# Altium PCB Universal_PCB.PcbDoc (part 1 of 3)
Units mm, origin at the board's own origin, x right, y up, seen from the top; angles counter-clockwise.
Board outline 200 x 105 mm, 2 copper layers (Top Layer, Bottom Layer), stack 1.57 mm thick; 323 components, 231 nets, 891 pads, 95 vias.
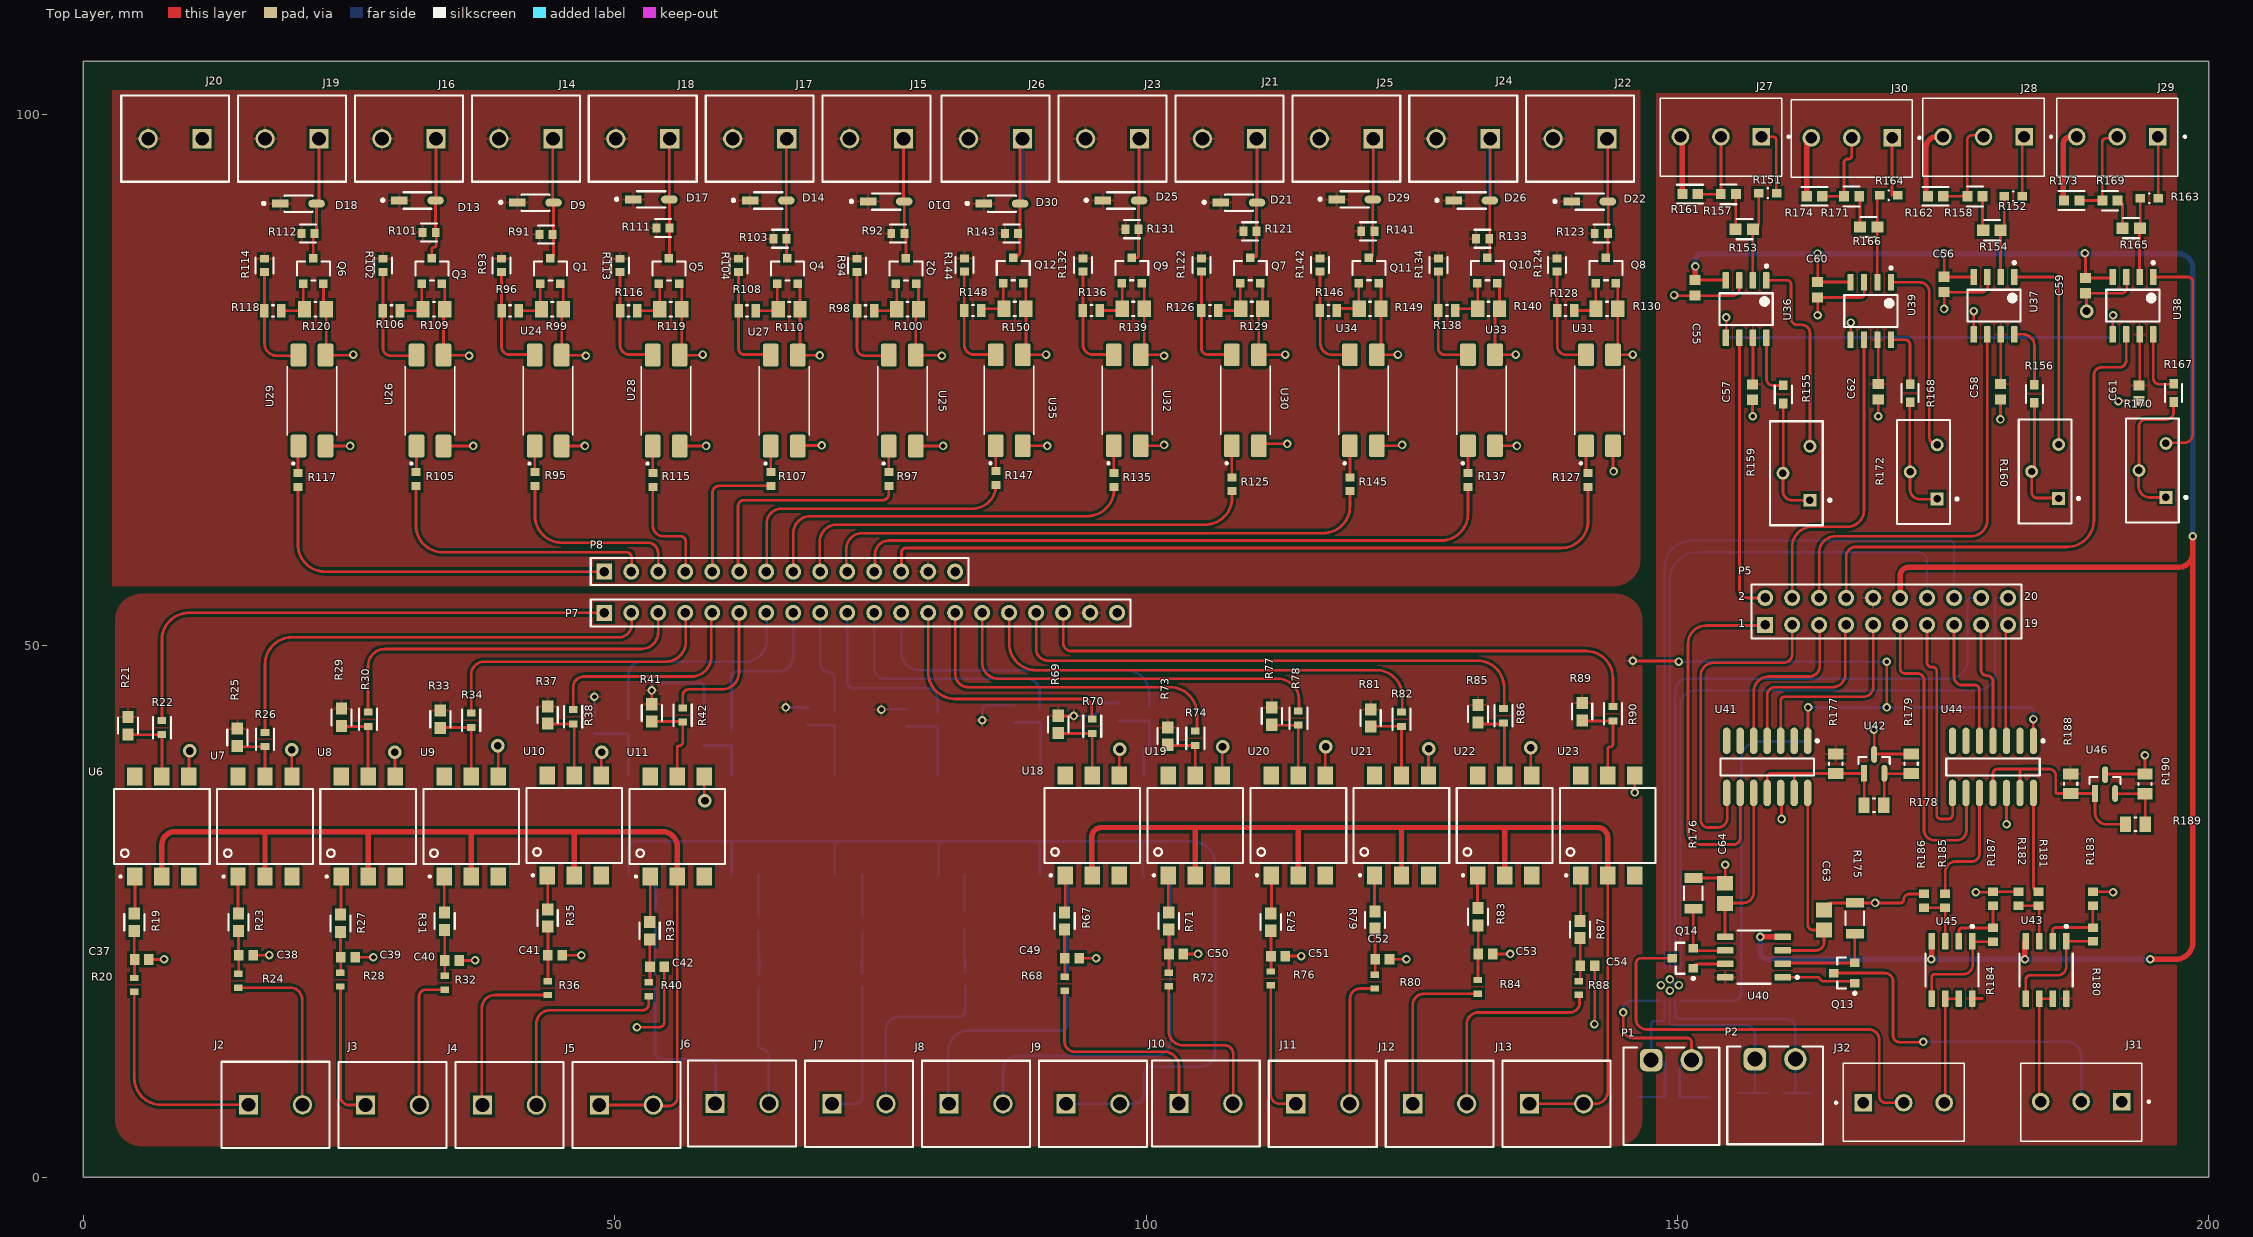
[diagram p0: Top Layer view]
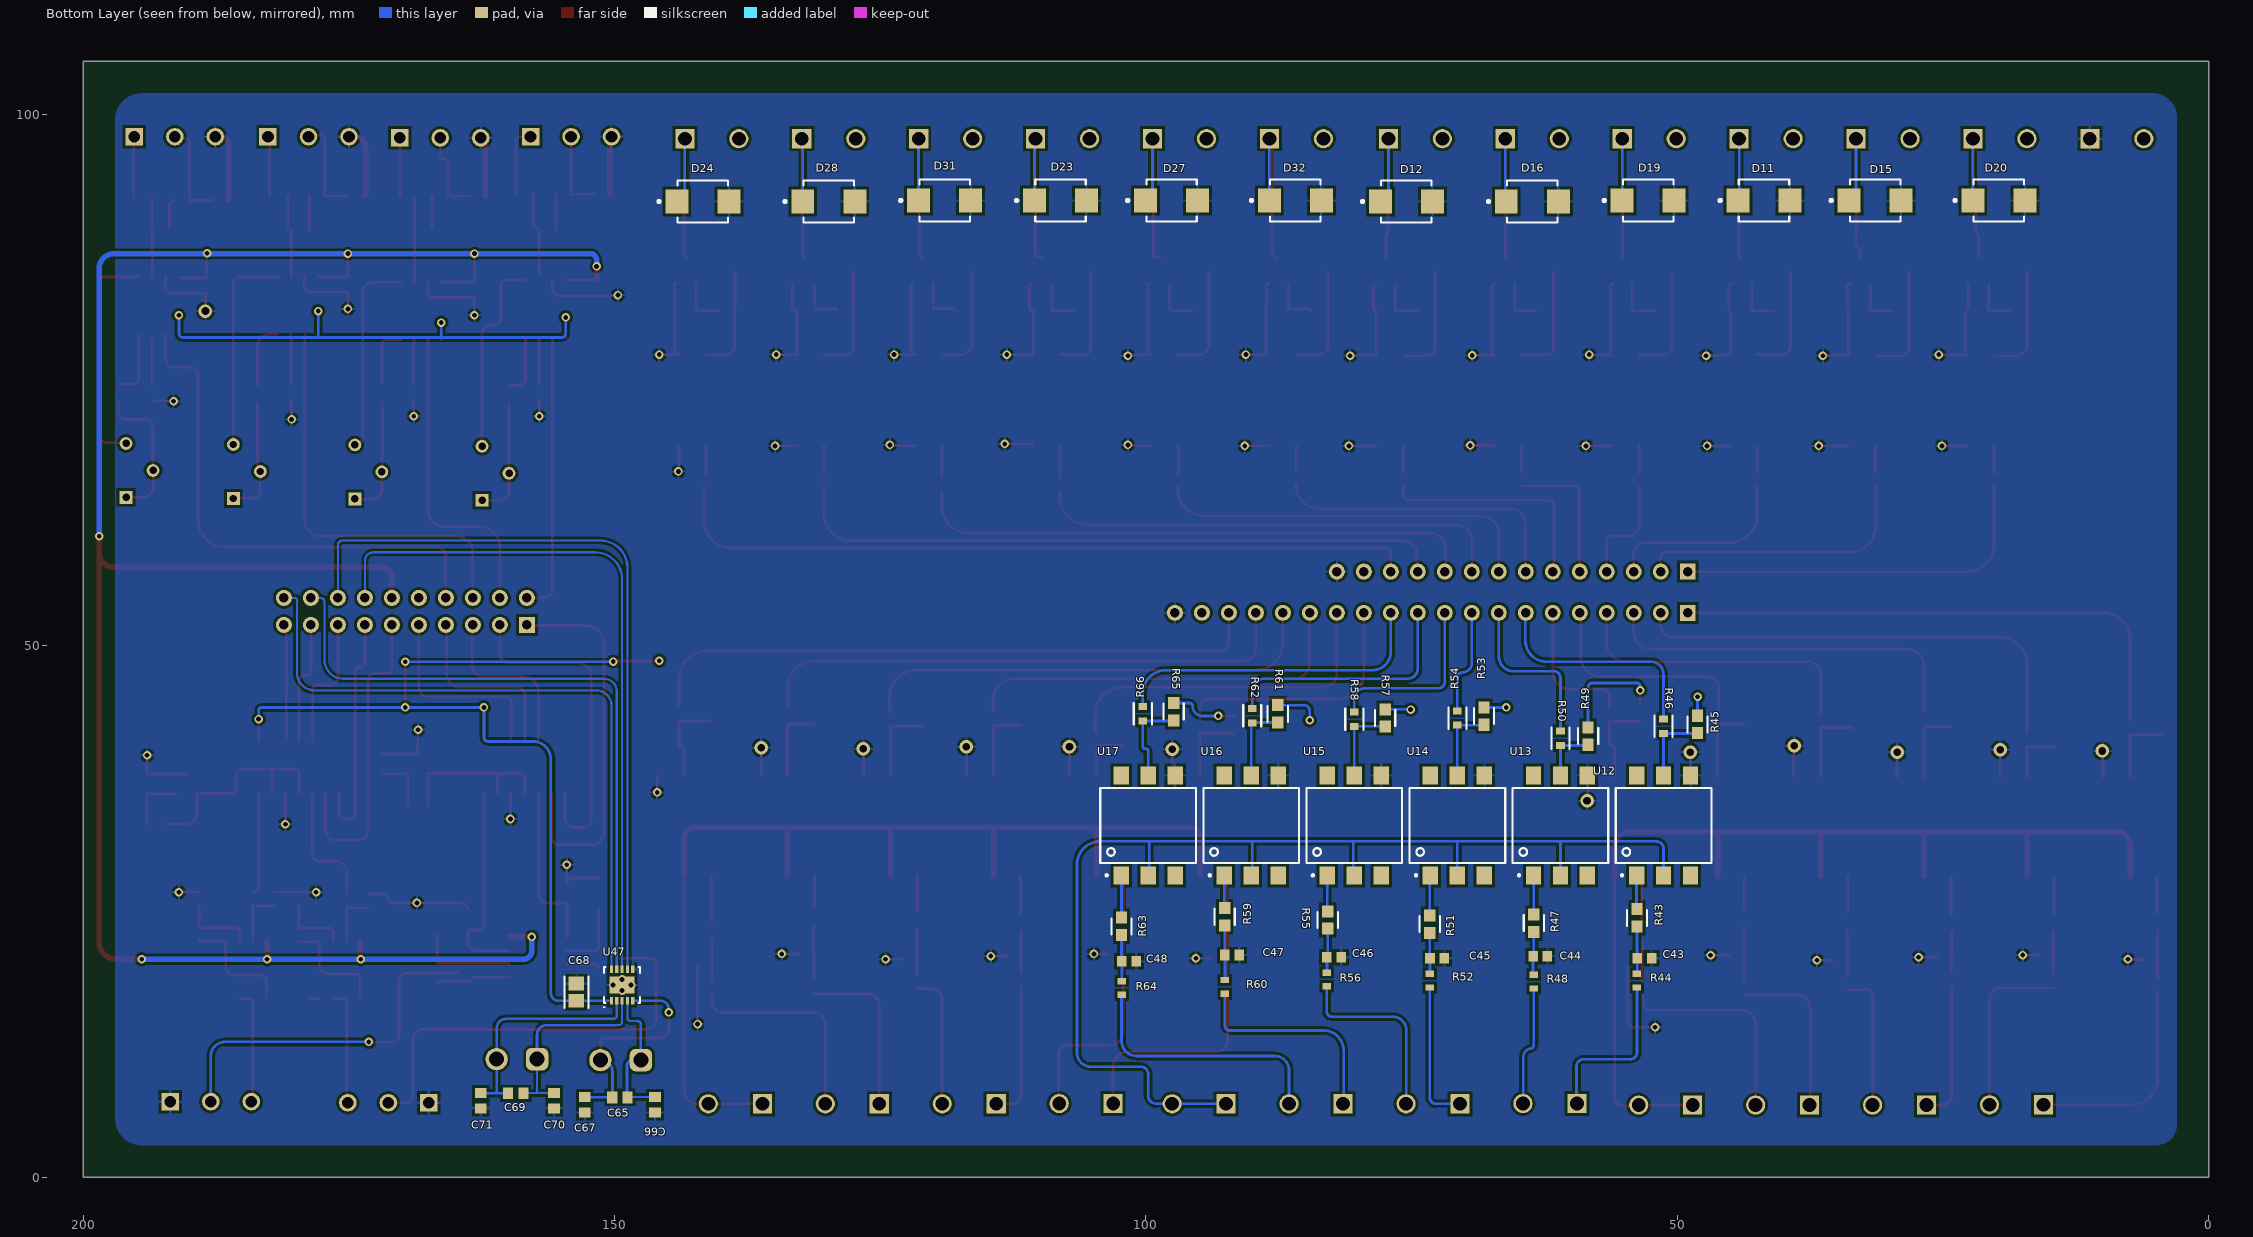
[diagram p1: Bottom Layer view, seen from below]
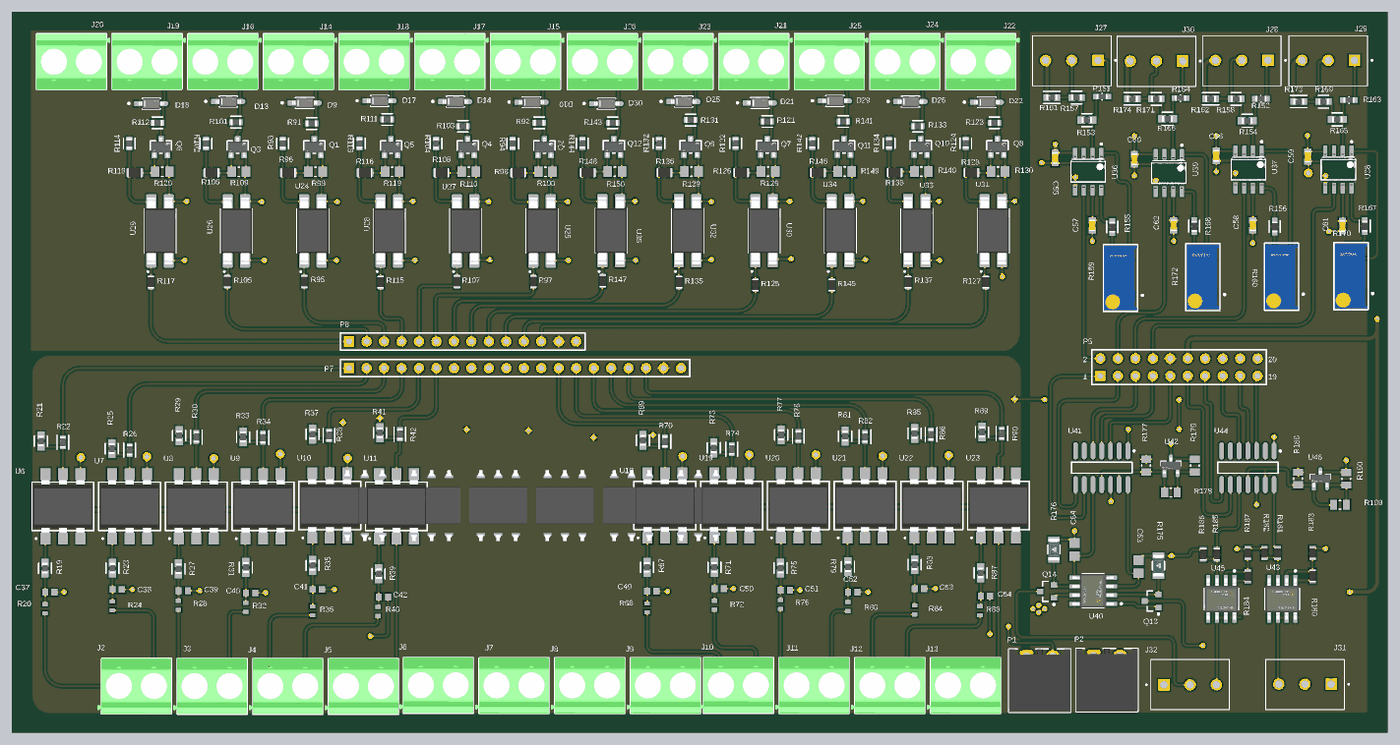
[diagram p4: 3D render of the assembled board from above, using the file's embedded part models]
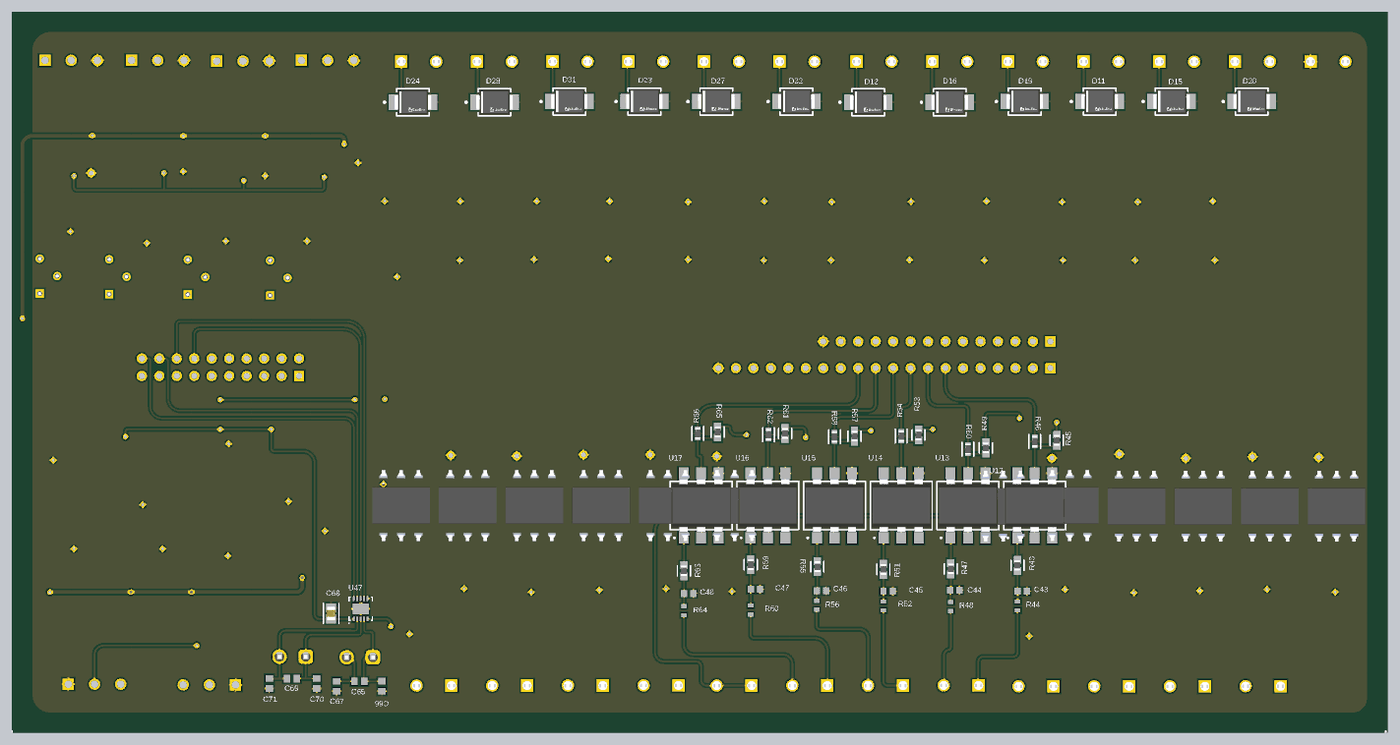
[diagram p5: 3D render of the assembled board from below, using the file's embedded part models]

## Layer stack, top to bottom
Top Solder: solder mask 0.01, Solder Resist, Dk 3.5
Top Layer: signal copper 0.035
Dielectric 1: dielectric 1.5, FR-4, Dk 4.8
Bottom Layer: signal copper 0.035
Bottom Solder: solder mask 0.01, Solder Resist, Dk 3.5

## Board outline
0,0 200,0 200,105 0,105

## Design rules (kind name [scope] priority, off if disabled: settings)
Clearance [All] p1: gap=0.254 ignorepadtopadclearanceinfootprint=FALSE
PolygonConnect [All] p1: connectstyle=Relief reliefconductorwidth=0.254 reliefentries=4 polygonreliefangle="90 Angle" airgapwidth=0.254
RoutingVias [All] p1: holewidth=0.711 width=1.27 viastyle="Through Hole" minholewidth=0.711 minwidth=1.27 maxholewidth=0.711 maxwidth=1.27
SolderMaskExpansion [All] p1: expansion=0.102 istentingtop=FALSE
Width [All] p1: maxlimit=2.54 minlimit=0.203 preferedwidth=0.254 minimp=50.000000 maximp=50.000000 favimp=50.000000
30 further rules are at their usual default settings.

## Classes and differential pairs
component class "Temp_sensors Input": C65 C66 C67 C68 C69 C70 C71 P1 P2 P5 P7 P8 U47
component class DIGITAL_OUTPUT: D9 D10 D11 D12 D13 D14 D15 D16 D17 D18 D19 D20 J14 J15 J16 J17 J18 J19 J20 Q1 Q2 Q3 Q4 Q5 Q6 R91 R92 R93 R94 R95 R96 R97 R98 R99 R100 R101 R102 R103 R104 R105 R106 R107 R108 R109 R110 R111 R112 R113 R114 R115 R116 R117 R118 R119 R120 U24 U25 U26 U27 U28 U29
component class DIGITAL_OUTPUT1: D21 D22 D23 D24 D25 D26 D27 D28 D29 D30 D31 D32 J21 J22 J23 J24 J25 J26 Q7 Q8 Q9 Q10 Q11 Q12 R121 R122 R123 R124 R125 R126 R127 R128 R129 R130 R131 R132 R133 R134 R135 R136 R137 R138 R139 R140 R141 R142 R143 R144 R145 R146 R147 R148 R149 R150 U30 U31 U32 U33 U34 U35
component class Digital_Input: C37 C38 C39 C40 C41 C42 J2 J3 J4 J5 R19 R20 R21 R22 R23 R24 R25 R26 R27 R28 R29 R30 R31 R32 R33 R34 R35 R36 R37 R38 R39 R40 R41 R42 U6 U7 U8 U9 U10 U11
component class Digital_Input3: C49 C50 C51 C52 C53 C54 J10 J11 J12 J13 R67 R68 R69 R70 R71 R72 R73 R74 R75 R76 R77 R78 R79 R80 R81 R82 R83 R84 R85 R86 R87 R88 R89 R90 U18 U19 U20 U21 U22 U23
component class Digital_Input2: C43 C44 C45 C46 C47 C48 J6 J7 J8 J9 R43 R44 R45 R46 R47 R48 R49 R50 R51 R52 R53 R54 R55 R56 R57 R58 R59 R60 R61 R62 R63 R64 R65 R66 U12 U13 U14 U15 U16 U17
component class ANALOG_VOUTPUT: J31 J32 R180 R181 R182 R183 R184 R185 R186 R187 R188 R189 R190 U43 U44 U45 U46
component class ANALOG_IOUTPUT: C63 C64 Q13 Q14 R175 R176 R177 R178 R179 U40 U41 U42
component class ANALOG_INPUT: C55 C56 C57 C58 C59 C60 C61 C62 J27 J28 J29 J30 R151 R152 R153 R154 R155 R156 R157 R158 R159 R160 R161 R162 R163 R164 R165 R166 R167 R168 R169 R170 R171 R172 R173 R174 U36 U37 U38 U39

## Components (designator, comment, footprint, x,y, rotation, side; value= is the part's Value field where it differs from the comment)
C37 "C0603T104K3RACTU" CAPC1608X87X35NL15T15 5.5,20.485 r180 top value=100nF
C38 "C0603T104K3RACTU" CAPC1608X87X35NL15T15 15.3,20.885 r180 top value=100nF
C39 "C0603T104K3RACTU" CAPC1608X87X35NL15T15 24.9,20.685 r180 top value=100nF
C40 "C0603T104K3RACTU" CAPC1608X87X35NL15T15 34.7,20.385 r180 top value=100nF
C41 "C0603T104K3RACTU" CAPC1608X87X35NL15T15 44.4,20.885 r180 top value=100nF
C42 "C0603T104K3RACTU" CAPC1608X87X35NL15T15 54,19.785 r180 top value=100nF
C43 "C0603T104K3RACTU" CAPC1608X87X35NL15T15 53.1,20.6 r0 bottom value=100nF
C44 "C0603T104K3RACTU" CAPC1608X87X35NL15T15 62.9,20.8 r0 bottom value=100nF
C45 "C0603T104K3RACTU" CAPC1608X87X35NL15T15 72.6,20.6 r0 bottom value=100nF
C46 "C0603T104K3RACTU" CAPC1608X87X35NL15T15 82.3,20.7 r0 bottom value=100nF
C47 "C0603T104K3RACTU" CAPC1608X87X35NL15T15 91.9,20.9 r0 bottom value=100nF
C48 "C0603T104K3RACTU" CAPC1608X87X35NL15T15 101.6,20.3 r0 bottom value=100nF
C49 "C0603T104K3RACTU" CAPC1608X87X35NL15T15 93.04,20.6 r180 top value=100nF
C50 "C0603T104K3RACTU" CAPC1608X87X35NL15T15 102.84,21 r180 top value=100nF
C51 "C0603T104K3RACTU" CAPC1608X87X35NL15T15 112.44,20.8 r180 top value=100nF
C52 "C0603T104K3RACTU" CAPC1608X87X35NL15T15 122.24,20.5 r180 top value=100nF
C53 "C0603T104K3RACTU" CAPC1608X87X35NL15T15 131.94,21 r180 top value=100nF
C54 "C0603T104K3RACTU" CAPC1608X87X35NL15T15 141.54,19.9 r180 top value=100nF
C55 "GRM188R71H104KA93D" CAPC1608X90X35ML10T15 151.675,83.675 r90 top
C56 "GRM188R71H104KA93D" CAPC1608X90X35ML10T15 175.1,84 r90 top
C57 "GRM188R71H104KA93D" CAPC1608X90X35ML10T15 157.075,73.875 r90 top
C58 "GRM188R71H104KA93D" CAPC1608X90X35ML10T15 180.4,73.9 r90 top
C59 "GRM188R71H104KA93D" CAPC1608X90X35ML10T15 188.4,83.9 r90 top
C60 "GRM188R71H104KA93D" CAPC1608X90X35ML10T15 163.2,83.5 r90 top
C61 "GRM188R71H104KA93D" CAPC1608X90X35ML10T15 193.445,73.775 r90 top
C62 "GRM188R71H104KA93D" CAPC1608X90X35ML10T15 168.9,73.9 r90 top
C63 "GRM21BR71H104KA01L" CAPC2013X135X45ML10T25 163.8,24.2 r270 top
C64 "GRM21BR71H104KA01L" CAPC2013X135X45ML10T25 154.5,26.7 r270 top
C65 "VJ0603Y103KXAAP" CAPC1608X92X38ML15T08 149.5,7.5 r180 bottom value=0.01uF
C66 "VJ0603Y103KXAAP" CAPC1608X92X38ML15T08 146.2,6.811 r90 bottom value=0.01uF
C67 "VJ0603Y103KXAAP" CAPC1608X92X38ML15T08 152.8,6.8 r90 bottom value=0.01uF
C68 "08051C104K4T2A" FP-0805-L_2_01_0_2-W_1_25-IPC_B 153.6,17.4 r90 bottom
C69 "VJ0603Y103KXAAP" CAPC1608X92X38ML15T08 159.3,7.9 r180 bottom value=0.01uF
C70 "VJ0603Y103KXAAP" CAPC1608X92X38ML15T08 155.7,7.2 r90 bottom value=0.01uF
C71 "VJ0603Y103KXAAP" CAPC1608X92X38ML15T08 162.6,7.2 r90 bottom value=0.01uF
D9 "1N5819HW-7-F" FP-SOD123-IPC_A 42.55,91.7 r0 top
D10 "1N5819HW-7-F" FP-SOD123-IPC_A 75.55,91.8 r0 top
D11 "SMBJ33A" FP-SMBJ-MFG 41.85,91.9 r180 bottom
D12 "SMBJ33A" FP-SMBJ-MFG 75.5,91.8 r180 bottom
D13 "1N5819HW-7-F" FP-SOD123-IPC_A 31.45,91.9 r0 top
D14 "1N5819HW-7-F" FP-SOD123-IPC_A 64.45,91.9 r0 top
D15 "SMBJ33A" FP-SMBJ-MFG 31.395,91.9 r180 bottom
D16 "SMBJ33A" FP-SMBJ-MFG 63.65,91.8 r180 bottom
D17 "1N5819HW-7-F" FP-SOD123-IPC_A 53.45,92 r0 top
D18 "1N5819HW-7-F" FP-SOD123-IPC_A 20.25,91.6 r0 top
D19 "SMBJ33A" FP-SMBJ-MFG 52.75,91.9 r180 bottom
D20 "SMBJ33A" FP-SMBJ-MFG 19.75,91.9 r180 bottom
D21 "1N5819HW-7-F" FP-SOD123-IPC_A 108.75,91.7 r0 top
D22 "1N5819HW-7-F" FP-SOD123-IPC_A 141.75,91.8 r0 top
D23 "SMBJ33A" FP-SMBJ-MFG 108.05,91.9 r180 bottom
D24 "SMBJ33A" FP-SMBJ-MFG 141.7,91.8 r180 bottom
D25 "1N5819HW-7-F" FP-SOD123-IPC_A 97.65,91.9 r0 top
D26 "1N5819HW-7-F" FP-SOD123-IPC_A 130.65,91.9 r0 top
D27 "SMBJ33A" FP-SMBJ-MFG 97.595,91.9 r180 bottom
D28 "SMBJ33A" FP-SMBJ-MFG 129.85,91.8 r180 bottom
D29 "1N5819HW-7-F" FP-SOD123-IPC_A 119.65,92 r0 top
D30 "1N5819HW-7-F" FP-SOD123-IPC_A 86.45,91.6 r0 top
D31 "SMBJ33A" FP-SMBJ-MFG 118.95,91.9 r180 bottom
D32 "SMBJ33A" FP-SMBJ-MFG 85.95,91.9 r180 bottom
J2 "1729128" PHOE-1729128-2_V 18.088,6.808 r0 top
J3 "1729128" PHOE-1729128-2_V 29.092,6.785 r0 top
J4 "1729128" PHOE-1729128-2_V 40.096,6.785 r0 top
J5 "1729128" PHOE-1729128-2_V 51.1,6.785 r0 top
J6 "1729128" PHOE-1729128-2_V 61.988,6.923 r0 top
J7 "1729128" PHOE-1729128-2_V 72.992,6.9 r0 top
J8 "1729128" PHOE-1729128-2_V 83.996,6.9 r0 top
J9 "1729128" PHOE-1729128-2_V 95,6.9 r0 top
J10 "1729128" PHOE-1729128-2_V 105.628,6.923 r0 top
J11 "1729128" PHOE-1729128-2_V 116.632,6.9 r0 top
J12 "1729128" PHOE-1729128-2_V 127.636,6.9 r0 top
J13 "1729128" PHOE-1729128-2_V 138.64,6.9 r0 top
J14 "1729128" PHOE-1729128-2_V 41.648,97.715 r180 top
J15 "1729128" PHOE-1729128-2_V 74.65,97.715 r180 top
J16 "1729128" PHOE-1729128-2_V 30.648,97.715 r180 top
J17 "1729128" PHOE-1729128-2_V 63.649,97.715 r180 top
J18 "1729128" PHOE-1729128-2_V 52.649,97.715 r180 top
J19 "1729128" PHOE-1729128-2_V 19.647,97.715 r180 top
J20 "1729128" PHOE-1729128-2_V 8.647,97.715 r180 top
J21 "1729128" PHOE-1729128-2_V 107.848,97.715 r180 top
J22 "1729128" PHOE-1729128-2_V 140.85,97.715 r180 top
J23 "1729128" PHOE-1729128-2_V 96.848,97.715 r180 top
J24 "1729128" PHOE-1729128-2_V 129.849,97.715 r180 top
J25 "1729128" PHOE-1729128-2_V 118.849,97.715 r180 top
J26 "1729128" PHOE-1729128-2_V 85.847,97.715 r180 top
J27 "1727023" PHOENIX_1727023 159.81,101.5 r180 top
J28 "1727023" PHOENIX_1727023 184.52,101.5 r180 top
J29 "1727023" PHOENIX_1727023 197.1,101.5 r180 top
J30 "1727023" PHOENIX_1727023 172.12,101.4 r180 top
J31 "1727023" PHOENIX_1727023 193.71,10.7 r180 top
J32 "1727023" PHOENIX_1727023 165.59,3.4 r0 top
P1 "691701340002B" 691701340002B 149.434,7.61 r0 top
P2 "691701340002B" 691701340002B 159.2,7.7 r0 top
P5 "Header 10X2" HDR2X10 158.26,51.96 r0 top
P7 "Header 20" HDR1X20 49.02,53.1 r0 top
P8 "Header 14" HDR1X14 49.02,56.979 r0 top
Q1 "AO3400A" FP-SOT23-MFG 43.955,85.272 r90 top
Q2 "AO3400A" FP-SOT23-MFG 77.414,85.272 r90 top
Q3 "AO3400A" FP-SOT23-MFG 32.803,85.272 r90 top
Q4 "AO3400A" FP-SOT23-MFG 66.261,85.272 r90 top
Q5 "AO3400A" FP-SOT23-MFG 55.108,85.272 r90 top
Q6 "AO3400A" FP-SOT23-MFG 21.65,85.272 r90 top
Q7 "AO3400A" FP-SOT23-MFG 109.817,85.3 r90 top
Q8 "AO3400A" FP-SOT23-MFG 143.275,85.3 r90 top
Q9 "AO3400A" FP-SOT23-MFG 98.664,85.3 r90 top
Q10 "AO3400A" FP-SOT23-MFG 132.122,85.3 r90 top
Q11 "AO3400A" FP-SOT23-MFG 120.97,85.3 r90 top
Q12 "AO3400A" FP-SOT23-MFG 87.511,85.3 r90 top
Q13 "MMBT2222ALT1G" ONSC-SOT-23-3-318-08_V 165.7,19.2 r180 top
Q14 "MMBT2222ALT1G" ONSC-SOT-23-3-318-08_V 150.5,20.6 r180 top
R19 "CRCW06033K00FKEA" FP-CRCW0603-e3-IPC_A 4.8,23.985 r90 top
R20 "RT0603DRE071KL" RESC1608X55X25LL10T15 4.8,18.085 r90 top value=1k
R21 "CRCW06033K00FKEA" FP-CRCW0603-e3-IPC_A 4.2,42.485 r90 top
R22 "RC0603FR-071KL" FP-RC0603-0_55-IPC_C 7.4,42.308 r90 top
R23 "CRCW06033K00FKEA" FP-CRCW0603-e3-IPC_A 14.6,23.985 r90 top
R24 "RT0603DRE071KL" RESC1608X55X25LL10T15 14.6,18.485 r90 top value=1k
R25 "CRCW06033K00FKEA" FP-CRCW0603-e3-IPC_A 14.5,41.385 r90 top
R26 "RC0603FR-071KL" FP-RC0603-0_55-IPC_C 17.1,41.185 r90 top
R27 "CRCW06033K00FKEA" FP-CRCW0603-e3-IPC_A 24.2,23.885 r90 top
R28 "RT0603DRE071KL" RESC1608X55X25LL10T15 24.2,18.585 r90 top value=1k
R29 "CRCW06033K00FKEA" FP-CRCW0603-e3-IPC_A 24.3,43.269 r90 top
R30 "RC0603FR-071KL" FP-RC0603-0_55-IPC_C 26.8,43.085 r90 top
R31 "CRCW06033K00FKEA" FP-CRCW0603-e3-IPC_A 34,24.085 r90 top
R32 "RT0603DRE071KL" RESC1608X55X25LL10T15 34,18.285 r90 top value=1k
R33 "CRCW06033K00FKEA" FP-CRCW0603-e3-IPC_A 33.6,43.085 r90 top
R34 "RC0603FR-071KL" FP-RC0603-0_55-IPC_C 36.5,42.985 r90 top
R35 "CRCW06033K00FKEA" FP-CRCW0603-e3-IPC_A 43.7,24.385 r90 top
R36 "RT0603DRE071KL" RESC1608X55X25LL10T15 43.7,17.785 r90 top value=1k
R37 "CRCW06033K00FKEA" FP-CRCW0603-e3-IPC_A 43.7,43.485 r90 top
R38 "RC0603FR-071KL" FP-RC0603-0_55-IPC_C 46.1,43.308 r90 top
R39 "CRCW06033K00FKEA" FP-CRCW0603-e3-IPC_A 53.3,23.185 r90 top
R40 "RT0603DRE071KL" RESC1608X55X25LL10T15 53.2,17.685 r90 top value=1k
R41 "CRCW06033K00FKEA" FP-CRCW0603-e3-IPC_A 53.5,43.685 r90 top
R42 "RC0603FR-071KL" FP-RC0603-0_55-IPC_C 56.4,43.485 r90 top
R43 "CRCW06033K00FKEA" FP-CRCW0603-e3-IPC_A 53.8,24.4 r90 bottom
R44 "RT0603DRE071KL" RESC1608X55X25LL10T15 53.8,18.5 r90 bottom value=1k
R45 "CRCW06033K00FKEA" FP-CRCW0603-e3-IPC_A 48.1,42.6 r90 bottom
R46 "RC0603FR-071KL" FP-RC0603-0_55-IPC_C 51.3,42.423 r90 bottom
R47 "CRCW06033K00FKEA" FP-CRCW0603-e3-IPC_A 63.5,23.9 r90 bottom
R48 "RT0603DRE071KL" RESC1608X55X25LL10T15 63.5,18.4 r90 bottom value=1k
R49 "CRCW06033K00FKEA" FP-CRCW0603-e3-IPC_A 58.4,41.5 r90 bottom
R50 "RC0603FR-071KL" FP-RC0603-0_55-IPC_C 61,41.3 r90 bottom
R51 "CRCW06033K00FKEA" FP-CRCW0603-e3-IPC_A 73.3,23.8 r90 bottom
R52 "RT0603DRE071KL" RESC1608X55X25LL10T15 73.3,18.5 r90 bottom value=1k
R53 "CRCW06033K00FKEA" FP-CRCW0603-e3-IPC_A 68.2,43.385 r90 bottom
R54 "RC0603FR-071KL" FP-RC0603-0_55-IPC_C 70.7,43.2 r90 bottom
R55 "CRCW06033K00FKEA" FP-CRCW0603-e3-IPC_A 82.9,24.2 r90 bottom
R56 "RT0603DRE071KL" RESC1608X55X25LL10T15 83,18.6 r90 bottom value=1k
R57 "CRCW06033K00FKEA" FP-CRCW0603-e3-IPC_A 77.5,43.2 r90 bottom
R58 "RC0603FR-071KL" FP-RC0603-0_55-IPC_C 80.4,43.1 r90 bottom
R59 "CRCW06033K00FKEA" FP-CRCW0603-e3-IPC_A 92.6,24.5 r90 bottom
R60 "RT0603DRE071KL" RESC1608X55X25LL10T15 92.6,17.9 r90 bottom value=1k
R61 "CRCW06033K00FKEA" FP-CRCW0603-e3-IPC_A 87.6,43.6 r90 bottom
R62 "RC0603FR-071KL" FP-RC0603-0_55-IPC_C 90,43.423 r90 bottom
R63 "CRCW06033K00FKEA" FP-CRCW0603-e3-IPC_A 102.3,23.6 r90 bottom
R64 "RT0603DRE071KL" RESC1608X55X25LL10T15 102.3,17.8 r90 bottom value=1k
R65 "CRCW06033K00FKEA" FP-CRCW0603-e3-IPC_A 97.4,43.8 r90 bottom
R66 "RC0603FR-071KL" FP-RC0603-0_55-IPC_C 100.3,43.6 r90 bottom
R67 "CRCW06033K00FKEA" FP-CRCW0603-e3-IPC_A 92.34,24.1 r90 top
R68 "RT0603DRE071KL" RESC1608X55X25LL10T15 92.34,18.2 r90 top value=1k
R69 "CRCW06033K00FKEA" FP-CRCW0603-e3-IPC_A 91.74,42.6 r90 top
R70 "RC0603FR-071KL" FP-RC0603-0_55-IPC_C 94.94,42.423 r90 top
R71 "CRCW06033K00FKEA" FP-CRCW0603-e3-IPC_A 102.14,24.1 r90 top
R72 "RT0603DRE071KL" RESC1608X55X25LL10T15 102.14,18.6 r90 top value=1k
R73 "CRCW06033K00FKEA" FP-CRCW0603-e3-IPC_A 102.04,41.5 r90 top
R74 "RC0603FR-071KL" FP-RC0603-0_55-IPC_C 104.64,41.3 r90 top
R75 "CRCW06033K00FKEA" FP-CRCW0603-e3-IPC_A 111.74,24 r90 top
R76 "RT0603DRE071KL" RESC1608X55X25LL10T15 111.74,18.7 r90 top value=1k
R77 "CRCW06033K00FKEA" FP-CRCW0603-e3-IPC_A 111.84,43.385 r90 top
R78 "RC0603FR-071KL" FP-RC0603-0_55-IPC_C 114.34,43.2 r90 top
R79 "CRCW06033K00FKEA" FP-CRCW0603-e3-IPC_A 121.54,24.2 r90 top
R80 "RT0603DRE071KL" RESC1608X55X25LL10T15 121.54,18.4 r90 top value=1k
R81 "CRCW06033K00FKEA" FP-CRCW0603-e3-IPC_A 121.14,43.2 r90 top